# Allegro board FH8858v310_app_board_v1.1.brd (continued)
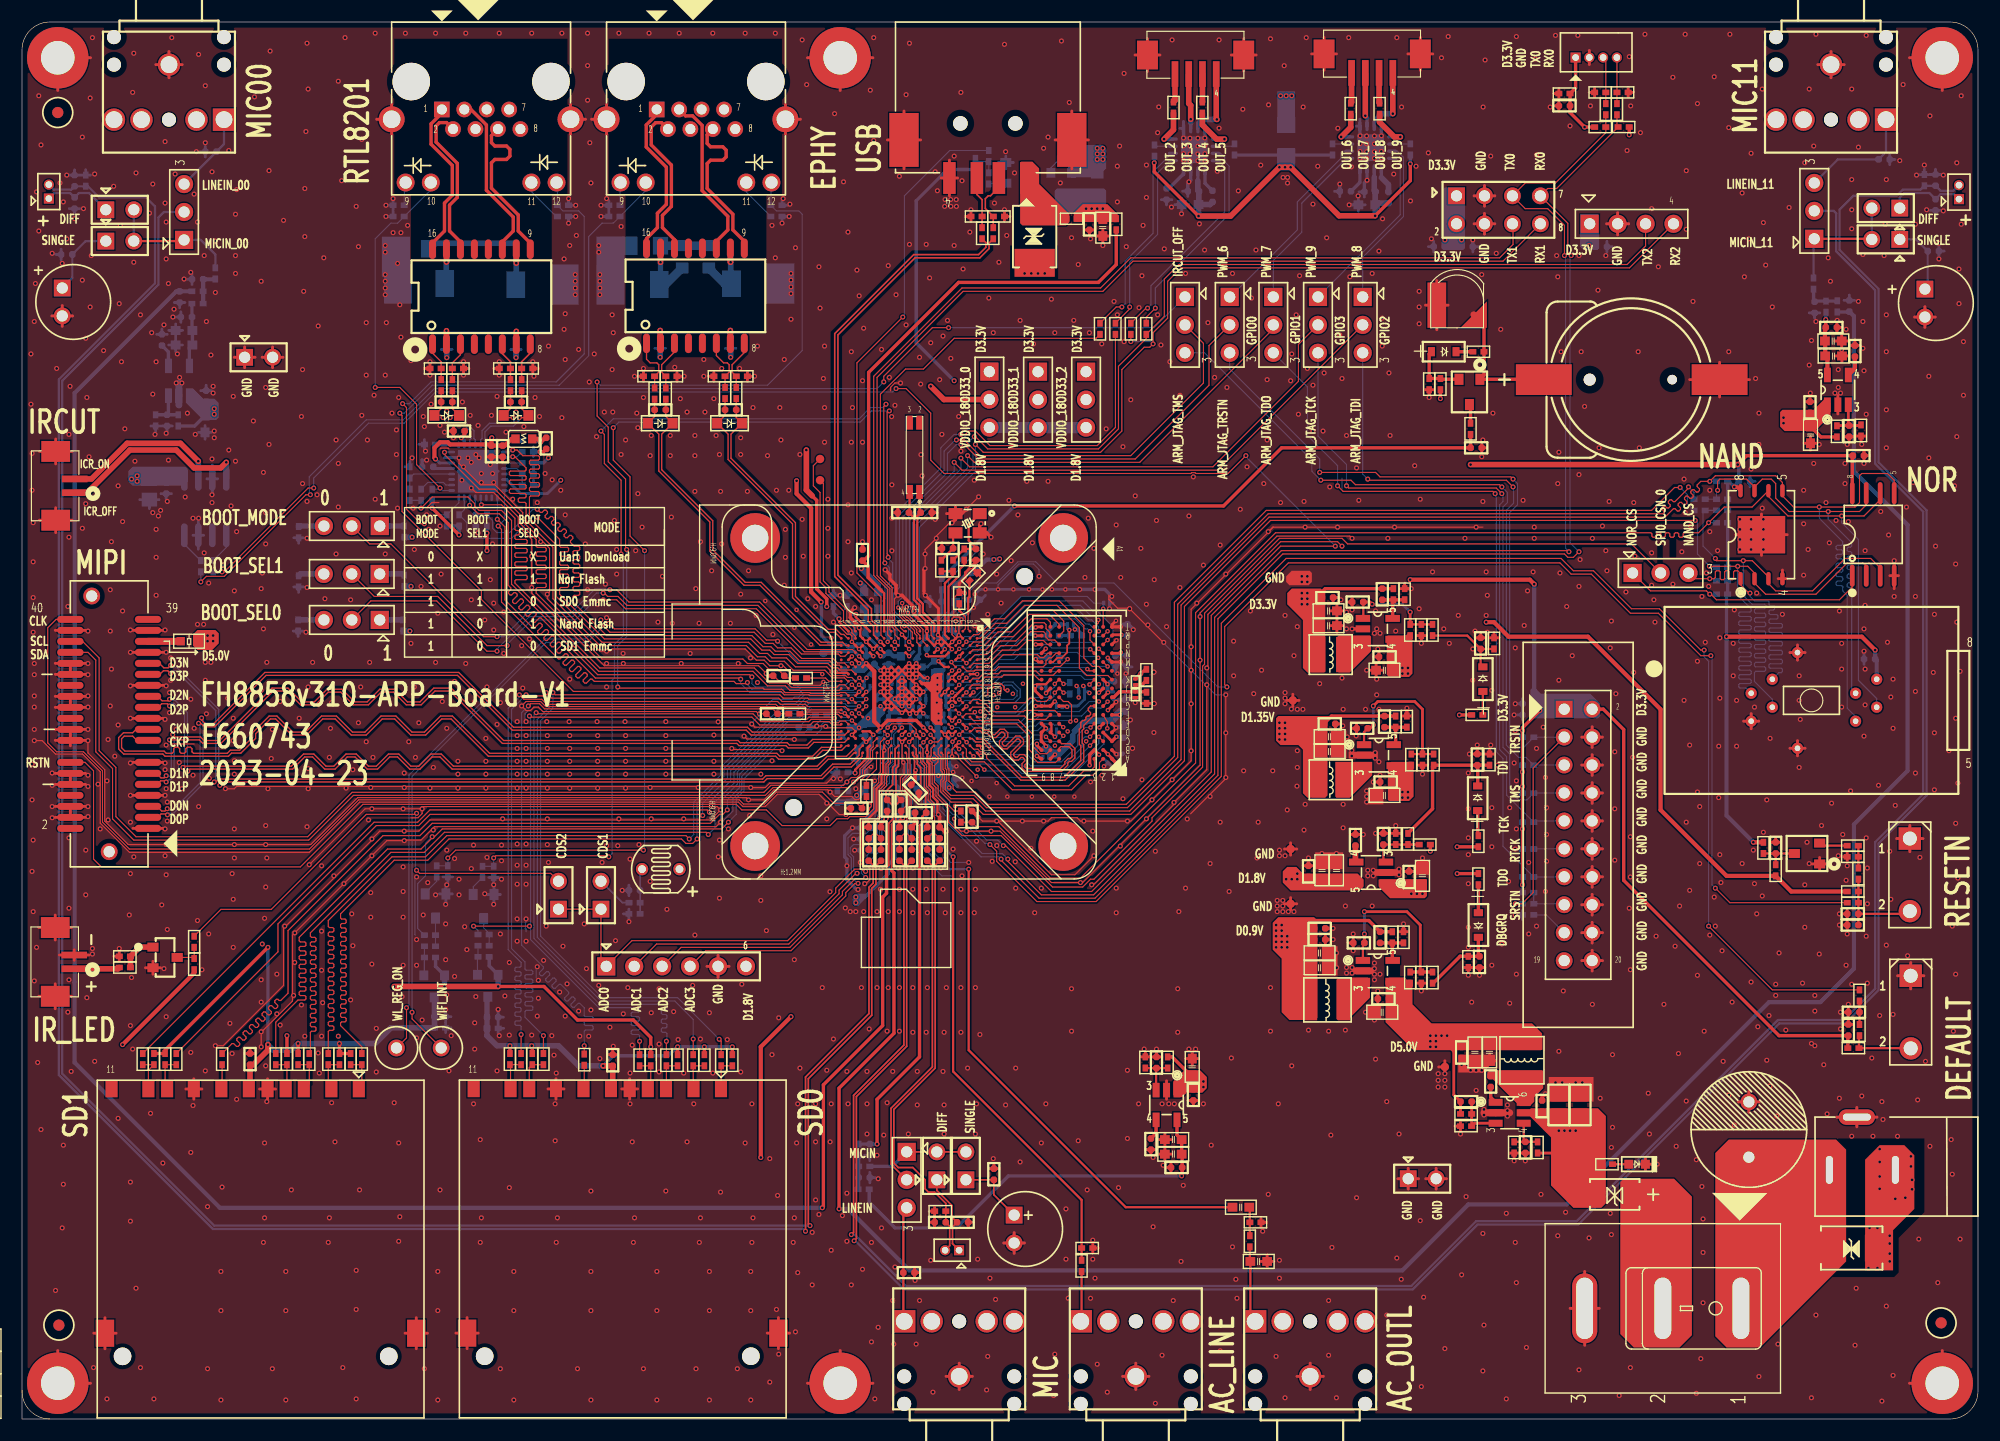
[diagram p0: board, top side]
## Routing (per net, layer and track width the routed paths; a pad name or vN(x,y) marks a point on that pad's centre or on a via; arc(x,y) is an arc through that point) (continued)
  L2 w0.508: J1.3 168.62,27.44 ; J1.3 166.79,28.32 ; J1.3 166.79,26.57 ; J1.3 164.81,27.44 164.8,27.43
  L2 w1.016: J1.2 171.28,22.64 171.3,22.66 ; J1.2 170.29,20.86 ; J1.2 170.29,24.21 ; J1.2 169.45,22.64
  L3 w0.102: v1(84.82,55.73) 84.73,55.64 v1(84.73,54.56) ; v2(68.17,59.84) 68.17,59.64 v2(67.16,58.62) ; 139.7,105.97 139.8,105.97 140,106.17 141.12,106.17 v2(141.53,105.77) ; v1(93.89,62.01) 93.51,62.4 92.64,62.4 ; v1(93.89,62.01) 93.89,62.03 ; v1(93.89,62.01) 94.39,62.51 ; 76.3,49.37 76.11,49.17 ; 76.3,49.37 76.29,49.38 76.29,49.76 76.2,49.86 v2(76.2,50.6) ; 76.3,49.37 76.3,49.07 75.59,49.07 ; 76.11,49.17 76.2,49.17 ; 76.11,49.17 76.05,49.12 75.74,49.12 75.68,49.17 75.59,49.17 ; 94.38,62.51 94.39,62.51 ; 94.39,62.51 v1(95.05,62.51) ; v1(81.28,62.18) 80.25,63.2 79.16,63.2 78.8,62.85 v1(78.69,62.85) 78.33,62.5 78.33,60.83 v1(78.38,60.78) ; 85.04,71.93 85.04,72.19 85.39,72.55 v1(85.39,72.69) ; v1(93.08,65.99) 93.08,66.54 93.8,67.25 95.25,67.25 v1(95.86,66.64)
  L3 w0.152: v2(73.44,47.94) 73.33,48.05 73.33,55.7 73.15,55.88 v2(73.15,55.98)
  L3 w0.254: 171.68,39.1 S1.1 ; S1.1 171.68,41.49 ; S1.1 172.88,40.29 ; S1.1 170.49,40.29 ; 172.97,99.24 J8.2 ; J8.2 172.97,101.12 ; J8.2 172.03,100.18 ; J8.2 173.91,100.18 ; 142.47,124.41 J12.2 142.47,123.14 ; 117.09,2.68 CN5.5 ; CN5.5 115.9,3.88 ; CN5.5 118.29,3.88 ; CN5.5 117.09,5.07 ; 13.36,121.93 CN3.5 ; CN3.5 14.55,123.12 ; CN3.5 12.17,123.12 ; CN3.5 13.36,124.32 ; 142.72,43.27 U18.18 ; U18.18 141.78,44.21 ; U18.18 142.72,45.15 ; U18.18 143.66,44.21 ; U18.4 142.72,62.93 ; U18.4 141.78,61.99 ; U18.4 142.72,61.05 ; U18.4 143.66,61.99 ; 160.71,69.68 U14.9 ; U14.9 161.39,68.99 ; U14.9 161.39,70.37 ; 85.19,2.68 CN1.5 ; CN1.5 85.19,5.07 ; CN1.5 86.39,3.88 ; CN1.5 84,3.88 ; J1.2 170.29,24.47 ; J1.2 170.29,20.81 ; J1.2 171.16,22.64 ; J1.2 169.41,22.64 ; U18.10 143.66,54.37 ; U18.10 141.78,54.37 ; U18.10 142.72,55.31 ; U18.10 142.72,53.43 ; J17.14 69.39,119.52 ; J17.14 69.39,116.8 ; J17.14 70.75,118.16 ; 100.05,3.88 CN4.5 ; CN4.5 101.24,5.07 ; CN4.5 101.24,2.68 ; CN4.5 102.44,3.88 ; 6.22,3.25 T21.1 3.25,6.22 ; 33.6,116.8 J18.13 ; J18.13 32.24,118.16 ; J18.13 33.6,119.52 ; JP4.1 126,22.78 ; JP4.1 126.95,21.84 ; JP4.1 125.06,21.84 ; JP4.1 126,20.9 ; T18.1 77.34,123.75 ; T18.1 74.37,120.78 ; T18.1 71.4,123.75 ; S2.1 171.6,53.96 ; S2.1 170.41,52.77 ; S2.1 172.8,52.77 ; S2.1 171.6,51.57 ; 156.03,28.83 C3.2 ; C3.2 157.91,28.83 ; C3.2 156.97,27.89 ; C3.2 156.97,29.77 ; 127.6,21.84 JP4.2 ; JP4.2 128.54,20.9 ; JP4.2 128.54,22.78 ; JP4.2 129.49,21.84 ; U18.6 142.72,60.39 ; U18.6 141.78,59.45 ; U18.6 143.66,59.45 ; U18.6 142.72,58.51 ; 161.39,60.29 U14.10 ; U14.10 160.71,60.98 ; U14.10 161.39,61.67 ; J1.3 168.62,27.44 ; J1.3 166.79,26.57 ; J1.3 166.79,28.32 ; J1.3 164.96,27.44 ; 141.78,49.29 U18.14 ; U18.14 143.66,49.29 ; U18.14 142.72,50.23 ; U18.14 142.72,48.35 ; T20.1 74.37,6.22 ; T20.1 77.34,3.25 ; T20.1 71.4,3.25 ; J2.3 143.37,10.06 ; J2.3 142.05,6.71 ; J2.3 140.73,10.06 ; J2.3 142.05,13.41 ; 171.58,123.75 T19.1 174.55,120.78 ; 142.72,40.73 U18.20 ; U18.20 141.78,41.67 ; U18.20 143.66,41.67 ; U18.20 142.72,42.61 ; 145.04,107.65 J16.2 ; J16.2 146.05,108.66 ; J16.2 145.04,109.66 ; J16.2 144.04,108.66 ; U18.12 143.66,51.83 ; U18.12 141.78,51.83 ; U18.12 142.72,50.89 ; U18.12 142.72,52.77 ; 63.27,40.15 J14.5 ; J14.5 63.27,42.15 ; J14.5 64.27,41.15 ; J14.5 62.26,41.15 ; 142.72,55.97 U18.8 ; U18.8 142.72,57.85 ; U18.8 143.66,56.91 ; U18.8 141.78,56.91 ; 171.58,3.25 T16.1 174.55,6.22 ; J6.2 90.19,16.94 ; J6.2 90.19,15.06 ; J6.2 89.25,16 ; J6.2 91.13,16 ; 19.3,96.52 JP5.1 ; JP5.1 21.18,96.52 ; JP5.1 20.24,97.46 ; JP5.1 20.24,95.58 ; 142.72,45.81 U18.16 ; U18.16 141.78,46.75 ; U18.16 143.66,46.75 ; U18.16 142.72,47.69 ; J10.2 3.66,101.22 ; J10.2 3.66,99.34 ; J10.2 4.6,100.28 ; J10.2 2.72,100.28 ; 3.25,120.78 T17.1 6.22,123.75 ; JP5.2 22.78,97.46 ; JP5.2 22.78,95.58 ; JP5.2 21.84,96.52 ; JP5.2 23.72,96.52 ; 157.18,62.75 U14.4 ; U14.4 157.87,63.44 ; U14.4 156.5,63.44 ; U14.4 157.18,64.13 ; CN2.5 165.63,123.12 ; CN2.5 164.44,124.32 ; CN2.5 164.44,121.93 ; CN2.5 163.25,123.12 ; J17.13 53.13,119.52 ; J17.13 51.78,118.16 ; J17.13 53.13,116.8 ; J18.14 51.22,118.16 ; J18.14 49.86,116.8 ; J18.14 49.86,119.52
  BOTTOM w0.102: v1(73.86,63.7) 73.75,63.59 72.64,63.59 72.25,63.21 72.25,62.99 v2(72.24,62.99) ; v2(63.5,54.25) v2(63.5,55.37) 63.5,56.18 65.02,57.71 65.02,58.83 69.7,63.5 70.71,63.5 71.73,64.52 74.42,64.52 v1(74.79,64.15) ; v2(63.5,54.25) 63.6,54.25 64.62,55.27 64.62,56.39 65.43,57.2 65.43,58.42 69.39,62.38 71.12,62.38 C180.1 ; v2(63.5,54.25) 64.11,53.64 v2(64.21,53.64) ; v2(103.79,70.6) 103.79,70.53 106.24,68.07 v2(106.27,68.07) 108.51,65.84 v2(109.42,65.84) ; v2(82.35,54.44) 82.77,54.87 83.21,54.87 v2(83.3,54.95) ; v1(80.11,59.69) 80,59.8 v1(80,61.55) ; v1(77.52,58.01) 77.57,58.01 78.03,58.47 78.03,59.54 78.54,60.05 78.54,60.63 v1(78.38,60.78) ; v1(85.7,75.08) 85.45,74.83 85.45,73.65 84.53,72.73 84.53,71.73 84.57,71.69 ; C45.1 83.26,72.52 84.23,73.49 84.23,76.3 86.87,78.94 87.07,78.94 v2(87.38,78.64) ; v1(78.69,62.85) 78.33,62.5 78.33,62.16 78.09,61.91 C47.1 ; 78.23,74.37 78.44,74.57 78.44,76 78.33,76.1 ; v2(66.33,63.18) 66.34,63.2 66.34,63.3 66.95,63.91 66.95,64.01 67.04,64.09 v2(67.04,64.11) 67.06,64.13 67.06,64.21 68.28,65.43 70,65.43 70.21,65.63 70.61,65.63 71.02,66.04 76.03,66.04 v1(76.09,66.1) ; 119.99,85.55 119.99,84.53 ; 45.82,44.3 45.82,44.53 45.75,44.6 45.75,45.14 45.82,45.21 v2(45.82,45.47) ; C73.2 82.21,56.1 82.21,56.68 81.99,56.9 81.99,59.03 81.62,59.4 81.62,59.64 81.28,59.98 v1(81.28,62.18) ; v2(80.06,54.64) 80.57,54.13 80.57,52.43 83.62,49.38 84.53,49.38 ; v2(14.3,59.68) 14.25,59.63 14.25,58.7 14.33,58.62 ; v2(46.84,41.12) 46.74,41.02 46.74,40.13 ; v2(81.33,56.39) 81.28,56.33 81.28,54.36 v2(81.33,54.31) 81.33,53.04 83.36,51 84.02,51 84.43,50.6 v2(86.06,50.6) ; 35.76,43.99 35.71,44.04 35.71,49.12 v2(35.86,49.28) ; v1(88.72,75.42) 88.72,75.84 90.61,77.72 91.95,77.72 92.46,77.22 v2(92.46,76.61) ; v2(45.82,63.4) 45.72,63.5 45.72,64.11 46.02,64.41 46.23,64.41
  BOTTOM w0.203: 84.34,64.41 84.73,64.41 ; v2(78.54,54.56) 78.77,54.79 78.77,56.79 78.97,57 v2(79.04,57) ; v2(76.56,54.36) 76.56,54.46 77.47,55.37 77.47,57.94 77.52,57.99 v1(77.52,58.01)
  BOTTOM w0.254: 136.4,63.53 C151.2 ; C151.2 136.4,64.49 ; C151.2 135.92,64.01 ; JP5.2 23.72,96.52 ; JP5.2 22.78,97.46 ; JP5.2 22.78,95.58 ; JP5.2 21.84,96.52 ; 105.59,117.96 U26.1 105.25,117.33 ; C83.1 82.27,63.82 v1(81.94,64.15) 81.61,63.82 C48.1 81.58,63.85 v1(81.29,64.15) ; C193.1 144.55,106.58 ; C193.1 144.07,107.06 ; C193.1 144.07,106.1 ; C195.1 128.32,107.06 ; C195.1 128.32,106.1 ; C195.1 127.84,106.58 ; 50.18,110.34 D30.A 49.68,110.77 ; U18.16 142.72,47.69 ; U18.16 141.78,46.75 ; U18.16 142.72,45.81 ; U18.16 143.66,46.75 ; R179.1 53.34,110.77 ; R179.1 52.84,110.34 ; R179.1 53.34,109.91 ; 141.78,41.67 U18.20 ; U18.20 143.66,41.67 ; U18.20 142.72,40.73 ; U18.20 142.72,42.61 ; 5.36,113.08 R119.2 ; R119.2 5.79,113.58 ; R119.2 6.22,113.08 ; C185.1 105.42,110.99 ; C185.1 105.42,109.82 ; C185.1 106.05,110.4 ; C185.1 104.8,110.4 ; 37.95,47.73 Q2.2 ; Q2.2 38.53,48.42 ; Q2.2 38.53,47.05 ; Q2.2 39.12,47.73 ; U18.14 142.72,50.23 ; U18.14 143.66,49.29 ; U18.14 141.78,49.29 ; U18.14 142.72,48.35 ; 11.58,82.77 C152.2 ; C152.2 10.71,83.58 ; C152.2 12.46,83.58 ; C121.2 174.24,106.65 ; C121.2 174.72,106.17 ; C121.2 174.24,105.69 ; 38.4,87.38 38.44,87.41 U25.31 39.69,87.41 v2(39.73,87.38) ; R46.2 25.58,75.64 ; R46.2 25.14,75.15 ; R46.2 24.71,75.64 ; C114.2 77.54,23.98 ; C114.2 76.59,23.98 ; C114.2 77.06,23.5 ; R191.2 36.58,89.03 ; R191.2 36.08,88.6 ; R191.2 36.58,88.17 ; JP4.2 129.49,21.84 ; JP4.2 128.54,20.9 ; JP4.2 128.54,22.78 ; JP4.2 127.6,21.84 ; 84,3.88 CN1.5 ; CN1.5 86.39,3.88 ; CN1.5 85.19,2.68 ; CN1.5 85.19,5.07 ; JP4.1 126.95,21.84 ; JP4.1 126,22.78 ; JP4.1 126,20.9 ; JP4.1 125.06,21.84 ; 141.78,56.91 U18.8 ; U18.8 142.72,57.85 ; U18.8 142.72,55.97 ; U18.8 143.66,56.91 ; J1.3 166.79,28.32 ; J1.3 164.96,27.44 ; J1.3 168.62,27.44 ; J1.3 166.79,26.57 ; 20.24,95.58 JP5.1 ; JP5.1 20.24,97.46 ; JP5.1 19.3,96.52 ; JP5.1 21.18,96.52 ; 16.05,89.7 C133.1 ; C133.1 16.64,89.08 ; C133.1 17.22,89.7 ; C133.1 16.64,90.32 ; 4.3,110.03 C142.2 ; C142.2 4.78,109.55 ; C142.2 5.25,110.03 ; C96.2 80.84,65.84 ; 80.84,65.84 C93.2 ; 80.84,65.84 81.02,65.84 v1(81.29,66.1) ; C141.2 12.72,99.09 ; C141.2 12.24,98.61 ; C141.2 13.2,98.61 ; 156.97,27.89 C3.2 ; C3.2 157.91,28.83 ; C3.2 156.03,28.83 ; C3.2 156.97,29.77 ; 160.71,60.98 U14.10 ; U14.10 161.39,61.67 ; U14.10 162.08,60.98 ; U14.10 161.39,60.29 ; 162.47,100.55 C126.2 ; C126.2 163.42,100.55 ; C126.2 162.94,100.08 ; U18.12 143.66,51.83 ; U18.12 141.78,51.83 ; U18.12 142.72,52.77 ; U18.12 142.72,50.89 ; 121.29,117.53 U27.1 121.62,118.17 ; 69.58,109.32 R176.1 69.09,108.89 ; 52.84,109.32 D23.A 53.34,109.75 ; 42.44,49.23 R80.2 ; R80.2 43.3,49.23 ; R80.2 42.87,48.73 ; 33.24,110.34 R189.1 ; R189.1 33.73,110.77 ; R189.1 33.73,109.91 ; 136.4,45.39 R142.2 ; R142.2 136.4,46.25 ; R142.2 135.9,45.82 ; CR12.2 84.63,66.75 ; CR12.2 CR11.2 84.47,67.46 v1(84.54,67.39) ; CR12.2 84.19,66.38 v1(83.9,66.09) 83.99,66 CR14.2 ; 84.04,61.68 CR3.2 CR8.2 ; 84.04,61.68 v1(84.56,62.2) ; 84.04,61.68 84.04,62.06 v1(83.9,62.2) 83.97,62.28 83.87,62.38 CR6.2 ; C150.1 136.4,65.5 ; C150.1 136.4,64.55 ; C150.1 135.92,65.02 ; CN3.5 14.55,123.12 ; CN3.5 13.36,121.93 ; CN3.5 13.36,124.32 ; CN3.5 12.17,123.12 ; 13.96,100.18 C138.2 ; C138.2 14.44,99.7 ; C138.2 14.44,100.66 ; J14.5 64.27,41.15 ; J14.5 62.26,41.15 ; J14.5 63.27,40.15 ; J14.5 63.27,42.15 ; CR22.2 99.33,68.37 98.86,68.85 98.69,69.01 v1(98.69,69.2) ; 3.56,105.39 C134.2 ; C134.2 3.08,105.87 ; C134.2 3.56,106.35 ; 74.72,67.63 C86.2 74.24,68.11 ; 121.48,109.79 C181.1 ; C181.1 122.1,110.38 ; C181.1 121.48,110.96 ; 136.4,51.38 R139.2 ; R139.2 135.9,51.82 ; R139.2 136.4,52.25 ; 82.07,74.32 C77.1 ; C77.1 82.55,74.8 ; C77.1 82.55,73.84 ; 77.07,21.47 C113.2 ; C113.2 77.54,21.95 ; C113.2 77.07,22.42 ; 121.54,111.56 C183.1 122.02,111.09 ; 75.64,70.95 C43.2 ; C43.2 75.16,71.42 ; C43.2 75.64,71.9 ; v2(80.06,54.64) 80.06,54.66 80.07,54.67 80.07,56.4 80.31,56.64 C53.2 ; 157.07,84.76 C101.2 ; C101.2 157.55,85.24 ; C101.2 157.07,85.72 ; 83.99,64.88 v1(84.55,65.44) 84.35,65.63 CR14.2 ; 83.99,64.88 CR13.2 84.34,64.41 CR5.2 84.34,63.7 v1(84.55,63.49) ; 83.99,64.88 CR14.2 ; 3.25,6.22 T21.1 6.22,3.25 ; 75.47,59.89 C63.1 75.95,59.41 ; Q1.2 43.49,47.68 ; Q1.2 42.9,47 ; Q1.2 42.9,48.37 ; Q1.2 42.32,47.68 ; 16.26,93.49 C135.1 ; C135.1 17.21,93.49 ; C135.1 16.73,93.97 ; 100.28,66.58 CR30.2 100.76,67.06 ; CR34.1 99.18,74.17 ; CR34.1 98.86,74.56 ; CR34.1 98.86,73.77 ; 15.45,103.13 C139.2 ; C139.2 15.45,104.09 ; C139.2 14.97,103.61 ; C104.2 43.28,37 ; C104.2 43.76,36.53 ; C104.2 43.28,36.05 ; 39.62,86.16 U25.33 43.28,86.16 ; 71.4,3.25 T20.1 ; T20.1 74.37,6.22 ; T20.1 77.34,3.25 ; 141.78,59.45 U18.6 ; U18.6 143.66,59.45 ; U18.6 142.72,58.51 ; U18.6 142.72,60.39 ; 73.57,58.78 R38.1 ; R38.1 74.07,59.21 ; R38.1 74.07,58.34 ; U18.10 142.72,55.31 ; U18.10 141.78,54.37 ; U18.10 143.66,54.37 ; U18.10 142.72,53.43 ; U15.4 132.94,109.6 ; U15.4 133.88,108.66 ; U15.4 132,108.66 ; U15.4 132.94,107.72 ; 57.54,97.33 C165.2 58.49,97.33 ; CR9.2 84.04,59.58 CR4.2 ; CR9.2 84.5,60.2 v1(84.54,60.24) ; CR9.2 CR8.2 ; C191.2 78.85,63.59 C89.2 ; C191.2 78.69,63.94 78.85,64.11 ; C191.2 79.17,63.42 ; C191.2 78.69,62.85 v1(78.69,62.85) ; 45.39,97.23 C170.2 44.43,97.23 ; v1(76.76,67.37) 76.76,67.46 C44.1 ; 90.19,15.06 J6.2 ; J6.2 91.13,16 ; J6.2 89.25,16 ; J6.2 90.19,16.94 ; v1(81.94,66.1) 82.28,66.45 CR10.2 82.33,67.32 v1(82.3,67.36) ; 140.73,10.06 J2.3 ; J2.3 143.37,10.06 ; J2.3 142.05,13.41 ; J2.3 142.05,6.71 ; 3.25,120.78 T17.1 6.22,123.75 ; C186.2 104.52,110.85 ; C186.2 103.56,110.85 ; C186.2 104.04,110.37 ; 173.94,109.4 C129.2 ; C129.2 174.42,109.88 ; C129.2 173.46,109.88 ; 87.58,74.88 87.17,74.47 C190.1 87.07,74.37 v1(85.39,72.69) 85.32,72.62 85.32,72.36 85.16,72.2 v1(85.16,71.25) v1(84.55,70.64) ; 25.09,71.13 R48.2 ; R48.2 24.66,71.63 ; R48.2 25.52,71.63 ; 38.51,35.13 R92.1 ; R92.1 38.51,35.99 ; R92.1 39,35.56 ; 74.37,120.78 T18.1 ; T18.1 71.4,123.75 ; T18.1 77.34,123.75 ; CR24.2 93.08,66 v1(93.08,65.99) ; 157.18,62.75 U14.4 ; U14.4 157.18,64.13 ; U14.4 156.5,63.44 ; U14.4 157.87,63.44 ; 171.58,3.25 T16.1 174.55,6.22 ; 165.63,101.69 C127.2 ; C127.2 166.58,101.69 ; C127.2 166.1,102.17 ; 75.41,74.88 R31.2 74.98,75.38 ; v1(84.53,69.99) 84.19,69.65 CR16.2 ; 86.97,74.63 v1(86.61,74.98) 87.05,75.42 v1(87.58,75.42) v1(88.72,75.42) v1(90.12,75.42) v1(91.54,75.42) 92.53,75.42 92.53,75.42 v1(92.76,75.42) v1(93.62,75.42) v1(94.84,75.42) 96.13,75.42 v2(96.14,75.41) ; 142.72,43.27 U18.18 ; U18.18 141.78,44.21 ; U18.18 142.72,45.15 ; U18.18 143.66,44.21 ; 144.04,108.66 J16.2 ; J16.2 146.05,108.66 ; J16.2 145.04,109.66 ; J16.2 145.04,107.65 ; 33.6,116.8 J18.13 ; J18.13 32.24,118.16 ; J18.13 33.6,119.52 ; C144.1 13.66,90.28 ; C144.1 12.71,90.28 ; C144.1 13.19,89.8 ; 167.44,68.61 C199.2 167.44,69.57 ; C132.2 169.77,114.98 ; C132.2 169.77,114.02 ; C132.2 170.25,114.5 ; 50.18,109.32 R188.1 49.68,108.89 ; CR4.2 84.33,59.76 ; CR4.2 84.81,59.28 ; U15.3 133.88,111.2 ; U15.3 132.94,110.26 ; U15.3 132,111.2 ; U15.3 132.94,112.14 ; 99.65,62.94 CR23.2 100.13,63.42 ; J18.14 49.86,119.52 ; J18.14 49.86,116.8 ; J18.14 51.22,118.16 ; C143.2 4.78,113.56 ; C143.2 4.3,113.08 ; C143.2 5.25,113.08 ; 76.64,61.65 C192.2 76.16,62.13 ; 170.49,40.29 S1.1 ; S1.1 171.68,41.49 ; S1.1 172.88,40.29 ; S1.1 171.68,39.1 ; 73.33,74.88 R49.2 73.76,75.38 ; 12.63,84.12 C153.2 ; C153.2 13.11,83.64 ; C153.2 13.58,84.12 ; 53.13,116.8 J17.13 ; J17.13 51.78,118.16 ; J17.13 53.13,119.52 ; 39.09,97.23 C168.2 38.13,97.23 ; C299.2 74.86,61.79 ; C299.2 74.18,61.79 ; C299.2 74.18,62.46 ; 13.97,97.05 C137.2 ; C137.2 13.34,97.64 ; C137.2 13.97,98.22 ; C137.2 14.59,97.64 ; 63.94,97.33 C167.2 64.89,97.33 ; RR4.1 92.25,69.19 v1(92.15,69.09) ; 38.71,48.78 R99.2 ; R99.2 38.27,49.28 ; R99.2 39.14,49.28 ; 81.85,64.7 C99.2 81.53,64.3 ; U19.3 17.3,86.73 ; U19.3 17.78,85.47 ; U19.3 17.3,84.21 ; U19.3 16.81,85.47 ; 172.03,100.18 J8.2 ; J8.2 172.97,101.12 ; J8.2 173.91,100.18 ; J8.2 172.97,99.24 ; 161.39,68.99 U14.9 ; U14.9 160.71,69.68 ; U14.9 162.08,69.68 ; U14.9 161.39,70.37 ; 69.39,116.8 J17.14 ; J17.14 70.75,118.16 ; J17.14 69.39,119.52 ; R74.1 43.78,35.51 ; R74.1 43.28,35.94 ; R74.1 43.28,35.08 ; 171.6,51.57 S2.1 ; S2.1 170.41,52.77 ; S2.1 171.6,53.96 ; S2.1 172.8,52.77 ; 46.98,84.89 R199.1 46.48,85.32 ; 84.53,60.55 84.18,60.91 CR8.2 ; C44.1 77.27,67.51 ; C44.1 77.32,68.02 ; C140.2 14.8,101.5 ; C140.2 14.33,101.02 ; C140.2 13.85,101.5 ; 81.09,69.03 C85.1 ; C85.1 81.59,69.08 ; C85.1 81.37,68.78 v1(81.29,68.7) ; C85.1 81.65,69.58 ; v1(95.71,71.78) 95.71,71.93 95.57,72.07 CR33.2 ; 16.03,79.08 U19.7 ; U19.7 16.51,80.34 ; U19.7 15.54,80.34 ; U19.7 16.03,81.6 ; 13.34,98.96 C136.2 ; C136.2 13.97,98.37 ; C136.2 13.97,99.54 ; C136.2 14.59,98.96 ; 78.31,68.63 C87.2 79.27,68.63 ; 117.09,2.68 CN5.5 ; CN5.5 118.29,3.88 ; CN5.5 115.9,3.88 ; CN5.5 117.09,5.07 ; J1.2 171.16,22.64 ; J1.2 169.41,22.64 ; J1.2 170.29,24.47 ; J1.2 170.29,20.81 ; 173.46,113.13 C130.2 ; C130.2 173.94,113.61 ; C130.2 174.42,113.13 ; 82.16,65.04 C98.2 82.16,65.82 ; v1(96.06,65.6) CR25.2 96.06,66.44 v1(95.86,66.64) ; 174.55,120.78 T19.1 171.58,123.75 ; 119.79,111.13 C188.2 119.31,111.61 ; v1(92.14,71.97) 92.06,71.89 91.65,71.89 CR27.2 ; 100.91,68.37 CR32.2 100.43,67.9 ; RR10.1 82.32,67.36 ; RR10.1 81.89,66.86 ; RR10.1 81.46,67.36 ; 98.49,59.43 CR18.2 ; CR18.2 99,59.38 ; CR18.2 98.44,59.93 ; v1(93.88,65.23) 94.02,65.09 CR26.2 ; CN2.5 164.44,124.32 ; CN2.5 163.25,123.12 ; CN2.5 165.63,123.12 ; CN2.5 164.44,121.93 ; 81.15,66.85 C95.2 80.84,67.25 ; 75.16,72.44 C42.2 75.64,71.96 ; v1(93.89,62.01) 94.04,62.16 CR19.2 ; 69.09,110.77 D19.A 69.58,110.34 ; 12.15,89.78 R118.1 ; R118.1 11.71,90.27 ; R118.1 12.58,90.27 ; 132.36,106.58 C194.2 131.88,106.1 ; 142.72,61.05 U18.4 ; U18.4 142.72,62.93 ; U18.4 141.78,61.99 ; U18.4 143.66,61.99 ; R113.2 173.36,113.13 ; R113.2 172.93,113.62 ; R113.2 172.49,113.13 ; Q4.2 90.11,114.22 ; Q4.2 88.74,114.22 ; Q4.2 89.43,113.64 ; Q4.2 89.43,114.81 ; C145.2 16.66,115.69 ; C145.2 16.66,114.74 ; C145.2 16.18,115.21 ; 34.82,86.57 R193.1 35.25,87.06 ; v1(76.09,66.1) 76.55,66.56 C82.1 76.55,67.1 76.61,67.16 ; CN4.5 101.24,5.07 ; CN4.5 102.44,3.88 ; CN4.5 100.05,3.88 ; CN4.5 101.24,2.68 ; J10.2 4.6,100.28 ; J10.2 3.66,99.34 ; J10.2 2.72,100.28 ; J10.2 3.66,101.22 ; 55.17,47.58 C149.2 ; C149.2 54.69,48.06 ; C149.2 55.17,48.54 ; 38.51,36.1 C106.2 ; C106.2 38.51,37.05 ; C106.2 38.99,36.58 ; 105.49,111.62 C184.1 105.97,111.14 ; R132.1 55.17,46.35 ; R132.1 54.67,45.92 ; R132.1 55.17,45.49 ; 100.76,65.38 CR21.2 100.28,65.86 ; R43.2 25.58,80.11 ; R43.2 25.14,79.62 ; R43.2 24.71,80.11 ; 142.47,124.41 J12.2 142.47,123.14 ; 46.48,88.37 R192.1 46.48,87.51 ; CR20.2 92.38,60.15 v1(92.25,60.27) 92.25,60.35 92.19,60.41 CR29.2 92.19,61.32 v1(92.25,61.38) ; 33.73,109.75 D31.A 33.24,109.32
  BOTTOM w0.305: 36.37,87.17 36.37,87.17 C175.2 ; 85.04,57.51 84.74,57.81 CR7.2 ; v1(78.04,66.1) 77.62,65.68 C88.2 77.62,65.43 C92.2 ; R38.1 73.76,58.47 v2(73.76,58.22) ; C49.2 C51.2 78.74,70.7 v1(78.69,70.65) ; C92.2 78.37,65.78 v1(78.69,66.1) 78.73,66.14 C90.2 ; C92.2 78.37,65.11 v1(78.69,64.8) 78.85,64.63 C89.2 78.89,64.35 C91.2 79.53,64.35 79.68,64.2 v1(79.99,64.2) ; R192.1 v2(47.09,87.94) ; C63.1 C65.1 75.95,60.92 76.57,61.55 v1(76.74,61.55) ; v1(85.47,58.3) 85.29,58.12 CR7.2 ; U26.1 105.59,116.46 v2(105.58,116.45) ; v2(99.06,74.78) 98.42,75.41 v2(97.54,75.41) v2(96.14,75.41) ; v1(99.88,72.01) 100.1,72.24 CR31.2 100.58,72.24 100.94,71.88 100.94,71.83 v2(101.02,71.75) ; 86.97,74.63 87.07,74.52 C190.1 ; v1(81.28,62.18) 81.28,62.2 80.77,62.71 C97.2 80.77,64.11 80.77,64.11 ; CR32.2 100.33,68.37 v1(99.87,68.83) 99.41,68.37 CR22.2 99.36,67.97 v1(99.57,67.77) ; v1(80.11,59.69) 80.31,59.49 C54.2 C53.2 ; CR4.2 84.33,59.12 v1(84.64,58.82) 84.64,58.76 84.74,58.66 CR7.2 ; v1(85.16,71.25) 85.01,71.25 84.57,71.69 ; 99.49,62.81 v1(99.45,62.84) ; v1(78.69,66.75) 78.79,66.85 C94.2 ; U27.4 v2(123.57,116.66) 123.57,116.56 v2(122.94,115.93) U27.17 121.62,116.56 U27.1 ; C188.2 v2(119.79,112.27) ; C194.2 v2(131.88,107.19) ; C45.1 83.26,71.28 v1(83.26,71.27) 83.24,71.25 v1(83.24,70.65) ; v2(41.45,80.57) 41.25,80.77 C176.1 ; v1(82.26,71.63) 82.25,71.62 C46.1 82.21,71.07 81.58,70.44 81.58,69.54 81.37,69.32 C85.1 ; U26.4 107.54,116.48 v2(107.51,116.45) ; C75.2 v2(81.33,56.39) ; v2(76.56,54.36) 76.25,54.05 C189.2 75.5,53.74 ; C84.2 77.47,68.62 v1(78.04,68.05) ; CR17.2 99.16,65.47 v1(99.45,65.19) 99.65,65.38 CR21.2 ; C184.1 105.97,112.37 v2(106.07,112.47) 106.24,112.64 U26.11 106.24,114.34 v2(106.17,114.4) ; v1(100.33,67.77) 100.28,67.72 CR30.2 ; C180.1 72.14,62.89 v2(72.24,62.99) ; v1(78.38,60.78) 77.93,61.24 C47.1 ; C87.2 78.79,68.15 v1(78.69,68.05) ; C157.2 v2(75.68,51.71) ; v2(83.3,54.95) 83.28,54.97 83.28,55 82.96,55.32 82.96,55.73 82.6,56.09 C73.2 ; C183.1 122.02,112.37 v2(122.27,112.61) U27.11 122.27,114.56 v2(122.22,114.6) ; v2(76,48.13) 75.87,48.13 74.98,49.03 v2(74.98,50.29) 74.98,50.9 74.78,51.1 74.78,53.01 75.5,53.74 ; R31.2 v2(74.37,74.88) R49.2 ; 75.5,53.74 v2(75.49,53.75) ; C181.1 v2(120.64,110.38) ; RR13.1 96.32,71.37 95.91,71.78 v1(95.71,71.78) ; C95.2 C96.2 81.24,66.14 v1(81.29,66.1) ; C156.2 v2(75.6,52.72)
  BOTTOM w0.381: v1(99.45,62.84) 99.51,62.9 100.08,62.9 CR23.2 100.15,62.94 v2(100.76,63.55) ; v1(99.48,60.43) 100,60.43 100.07,60.51
  BOTTOM w0.508: C165.2 v2(58.01,96.52) ; C170.2 v2(44.91,96.49) ; C167.2 v2(64.41,96.52) ; C168.2 v2(38.61,96.49)
  BOTTOM w0.635: 14.33,94.18 14.26,94.12 U13.2 14.26,92.2